# Altium PCB 电解模块主控板_V1.1_ZM_20211015.PcbDoc (part 1 of 3) (continued)
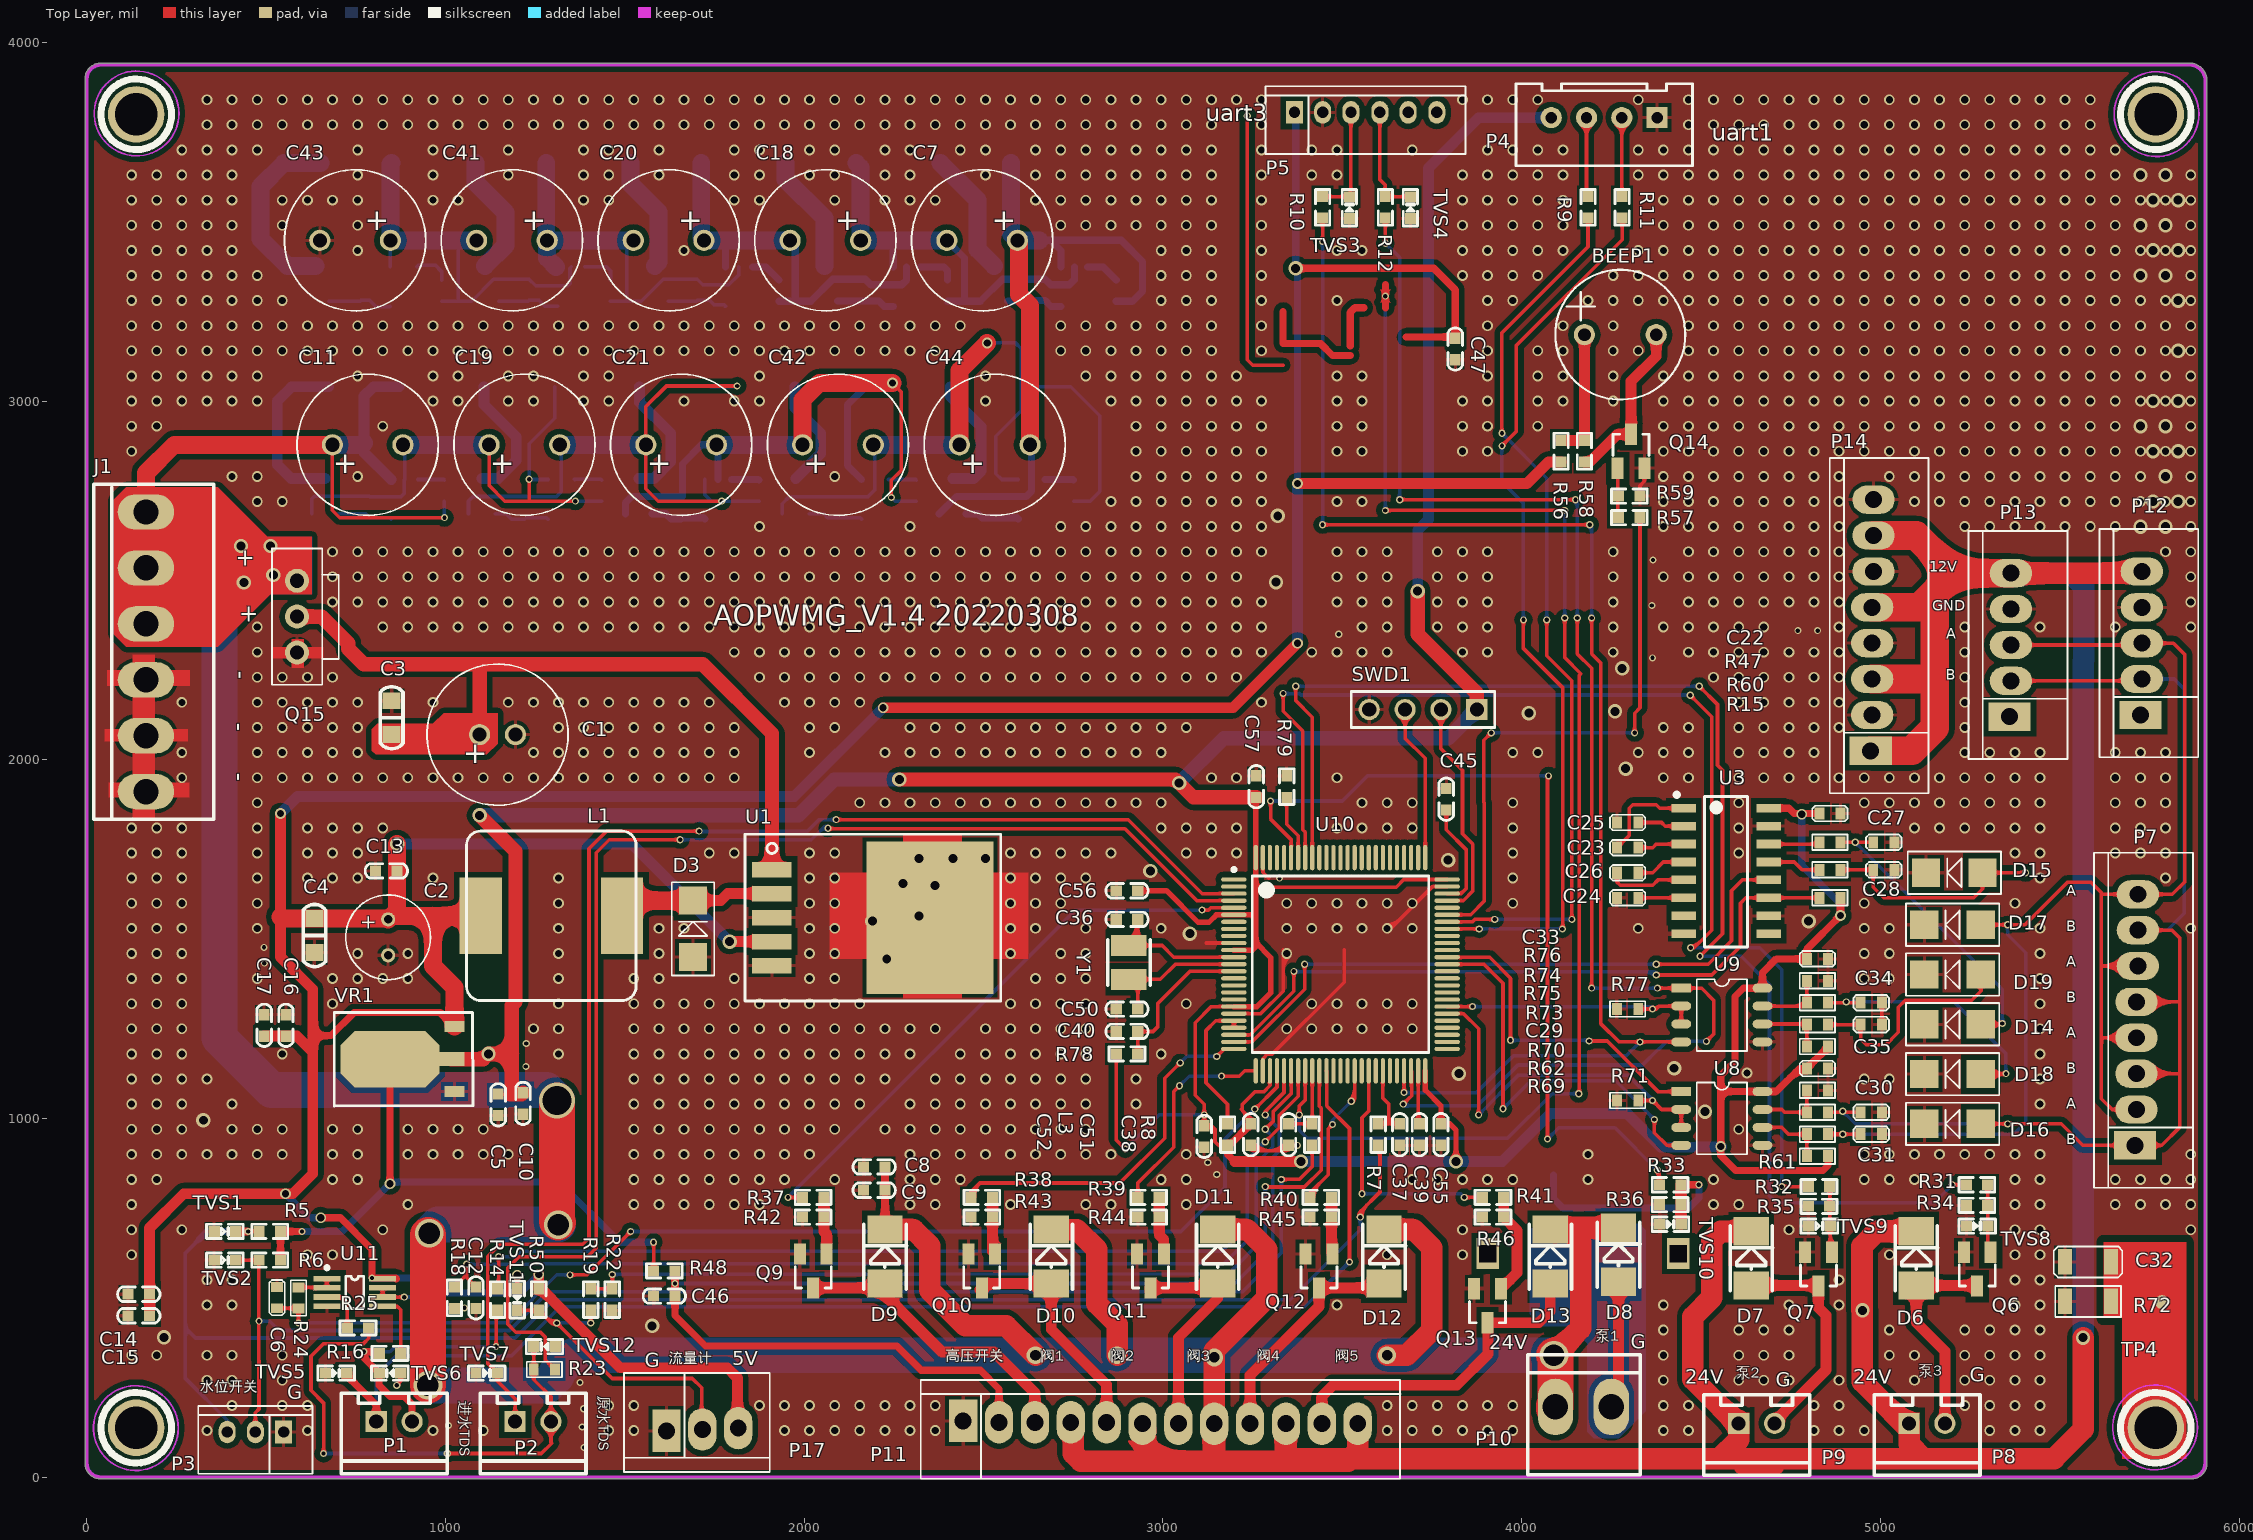
[diagram p0: Top Layer view]
## Components (designator, comment, footprint, x,y, rotation, side; value= is the part's Value field where it differs from the comment) (continued)
R19 "10K" SMD-0603 1405,495 r90 top
R22 "20K" SMD-0603 1465,495 r90 top
R23 "2K" 0603R 1305,300 r180 top
R24 "4.7K" 0603R 590,470 r90 top
R25 "10K" SMD-0603 756,416 r180 top
R26 "1K" 0603R 997,2720.67 r90 bottom
R27 "1K" 0603R 2870,3278.41 r90 bottom
R28 "1K" 0603R 2639,3280.41 r90 bottom
R29 "1K" 0603R 789,2674.67 r90 bottom
R30 "4.7" 2010R 2144.96,3663 r180 bottom
R31 "100R" SMD-0603 5269,815 r180 top
R32 "100R" SMD-0603 4829,810 r180 top
R33 "100R" SMD-0603 4414,815 r180 top
R34 "10K" SMD-0603 5269,757.5 r180 top
R35 "10K" SMD-0603 4829,755 r180 top
R36 "10K" SMD-0603 4414,760 r180 top
R37 "1K" SMD-0603 2025,780 r180 top
R38 "1K" SMD-0603 2495,780 r180 top
R39 "1K" SMD-0603 2960,780 r180 top
R40 "1K" SMD-0603 3440,780 r180 top
R41 "1K" SMD-0603 3920,780 r180 top
R42 "10K" SMD-0603 2025,725 r180 top
R43 "10K" SMD-0603 2495,725 r180 top
R44 "10K" SMD-0603 2960,725 r180 top
R45 "10K" SMD-0603 3440,725 r180 top
R46 "10K" SMD-0603 3920,725 r180 top
R47 "22R 5%" 0603R 4830,1770 r0 top
R48 "10K" SMD-0603 1610,575 r180 top
R50 "10K" SMD-0603 1260,495 r270 top
R53 "4.7" 2010R 1304.46,3040 r180 bottom
R56 "51R" SMD-0603 4110,2860 r270 top
R57 "4.7K" SMD-0603 4300,2675 r180 top
R58 "1K" SMD-0603 4175,2860 r90 top
R59 "47K" SMD-0603 4300,2735 r0 top
R60 "22R 5%" 0603R 4830,1693.33 r0 top
R61 "750R 5%" 0603R 4795,895 r0 top
R62 "FSMD010-0603" 0603R 4795,1017.22 r0 top
R64 "1K" 0603R 1435.5,2720.67 r90 bottom
R65 "1K" 0603R 2399.75,3278.41 r90 bottom
R66 "1K" 0603R 2170.25,3280.41 r90 bottom
R67 "1K" 0603R 1224.75,2674.67 r90 bottom
R68 "4.7" 2010R 1712.93,3663 r180 bottom
R69 "FSMD010-0603" 0603R 4795,956.11 r0 top
R70 "750R 5%" 0603R 4795,1078.33 r0 top
R71 "10K 1%" 0603R 4325,1050 r180 top
R72 "10M 5%" 1206r 5515,490 r0 top
R73 "750R 5%" 0603R 4795,1200.56 r0 top
R74 "FSMD010-0603" 0603R 4795,1322.78 r0 top
R75 "FSMD010-0603" 0603R 4795,1261.67 r0 top
R76 "750R 5%" 0603R 4795,1383.89 r0 top
R77 "10K 1%" 0603R 4325,1305 r180 top
R78 "10K" SMD-0603 2900,1180 r180 top
R79 "100K" SMD-0603 3345,1925 r270 top
R83 "4.7" 2010R 1737.93,3040 r180 bottom
R87 "1K" 0603R 1874,2720.67 r90 bottom
R88 "1K" 0603R 1929.5,3278.41 r90 bottom
R89 "1K" 0603R 1701.5,3280.41 r90 bottom
R90 "1K" 0603R 1660.5,2674.67 r90 bottom
R91 "4.7" 2010R 1280.89,3663 r180 bottom
R95 "4.7" 2010R 2171.39,3040 r180 bottom
R99 "1K" 0603R 2312.5,2720.67 r90 bottom
R100 "1K" 0603R 1459.25,3278.41 r90 bottom
R101 "1K" 0603R 1232.75,3280.41 r90 bottom
R102 "1K" 0603R 2096.25,2674.67 r90 bottom
R103 "4.7" 2010R 848.85,3663 r180 bottom
R107 "4.7" 2010R 2604.85,3040 r180 bottom
R111 "1K" 0603R 2751,2720.67 r90 bottom
R112 "1K" 0603R 989,3278.41 r90 bottom
R113 "1K" 0603R 764,3280.41 r90 bottom
R114 "1K" 0603R 2532,2674.67 r90 bottom
SWD1 "SIP-4 (NC)" SIP-4 3725,2140 r180 top
TP4 "TPS" tpd 5785,488 r90 top
TVS1 "ESD5Z5.0CT1G" SOD-523 385,685 r0 top
TVS2 "ESD5Z5.0CT1G" SOD-523 385,605 r0 top
TVS3 "ESD5Z5.0CT1G" SOD-523 3520,3539 r90 top
TVS4 "ESD5Z5.0CT1G" SOD-523 3690,3539 r90 top
TVS5 "ESD5Z5.0CT1G" SOD-523 695,290 r0 top
TVS6 "ESD5Z5.0CT1G" SOD-523 845,290 r180 top
TVS7 "ESD5Z5.0CT1G" SOD-523 1115,290 r0 top
TVS8 "ESD5Z5.0CT1G" SOD-523 5270,700 r0 top
TVS9 "ESD5Z5.0CT1G" SOD-523 4830,700 r0 top
TVS10 "ESD5Z5.0CT1G" SOD-523 4415,705 r0 top
TVS11 "ESD5Z5.0CT1G" SOD-523 1200,495 r270 top
TVS12 "ESD5Z5.0CT1G" SOD-523 1276,364 r180 top
U1 "LM2596S 5.0V" TO-263-5 1910,1560 r270 top
U2 "B W 6101" SOT23-5 886,2726.14 r270 bottom
U3 "TPT3232E-SO3R" SO-16Z 4451.5,1865 r0 top
U4 "B W 6101" SOT23-5 2753,3318.88 r270 bottom
U5 "B W 6101" SOT23-5 1323,2726.14 r270 bottom
U6 "B W 6101" SOT23-5 2285.5,3318.88 r270 bottom
U7 "B W 6101" SOT23-5 1760,2726.14 r270 bottom
U8 "TP8485E-SR/NC" SO-8 4445,1075 r0 top
U9 "TP8485E-SR" SO-8 4445,1363.34 r0 top
U10 "GD32F405VGTx" STM-LQFP100_N 3495,1430 r0 top
U11 "SGM358YMS/TR" MSOP-8 747,515 r0 top
U12 "B W 6101" SOT23-5 1818,3318.88 r270 bottom
U13 "B W 6101" SOT23-5 2197,2726.14 r270 bottom
U14 "B W 6101" SOT23-5 1350.5,3318.88 r270 bottom
U15 "B W 6101" SOT23-5 2634,2726.14 r270 bottom
U16 "B W 6101" SOT23-5 883,3318.88 r270 bottom
VR1 "LM1117 3.3V" SOT223 1025,1075 r90 top
Y1 "8MHz" XTAL-3225-2 2905,1435 r90 top

## Footprints (in the part's own frame and the unit in brackets; to place one, negate y for a bottom-side part, rotate by r counter-clockwise, add the part's x,y. Pads: shape width x height; smd on the part's side, far side on the other; paste and mask are expansions set on the pad)
3X2.54MMZ2 [mm]
  rect 2x3 hole 1.2: 1(0,0)
  oval 2x3 hole 1.2: 2(2.54,0.1) 3(5.08,0.2)
  silkscreen extent -3,-2.9 7.31,4.1
3X2MMZ [mm]
  rect 1.2x1.6 hole 0.8: 1(0,0)
  oval 1.2x1.6 hole 0.8: 2(2,0) 3(4,0)
  silkscreen extent -2.05,-1.85 6.05,2.95
5X2.54MMZ [mm]
  rect 2x3 hole 1.2: 1(0,0)
  oval 2x3 hole 1.2: 2(2.54,-0.1) 3(5.08,-0.1) 4(7.62,-0.1) 5(10.16,-0.1)
  silkscreen extent -3,-4.1 13.16,2.9
6*8 [mm]
  round 1 hole 0.6: 1(1.27,0) 2(-1.27,0)
  silkscreen extent -3,-3 3,3
6X2MMZ [mm]
  rect 1.2x1.6 hole 0.8: 1(0,0)
  oval 1.2x1.6 hole 0.8: 2(2,0) 3(4,0) 4(6.05,0) 5(8.05,0) 6(10.08,0)
  silkscreen extent -2.05,-2.95 12.12,1.85
8X2.54MMZ [mm]
  rect 2x3 hole 1.2: 1(0,0)
  oval 2x3 hole 1.2: 2(2.54,-0.1) 3(5.08,-0.1) 4(7.62,-0.1) 5(10.16,-0.1) 6(12.7,-0.2) 7(15.24,-0.2) 8(17.78,-0.2)
  silkscreen extent -3,-4.1 20.73,2.9
10*16 [mm]
  round 1.5 hole 1: 1(1.27,0) 2(-1.27,0)
  silkscreen extent -5,-5 5,5
"10*16 -5" [mm]
  round 1.5 hole 1: 1(2.5,0) 2(-2.5,0)
  silkscreen extent -5,-5 5,5
12X2.54MMZ [mm]
  rect 2x3 hole 1.2: 1(0,0)
  oval 2x3 hole 1.2: 2(2.54,-0.1) 3(5.08,-0.1) 4(7.62,-0.1) 5(10.16,-0.1) 6(12.7,-0.2) 7(15.24,-0.2) 8(17.78,-0.2) 9(20.32,-0.2) 10(22.86,-0.2) 11(25.4,-0.2) 12(27.94,-0.2)
  silkscreen extent -3,-4.1 30.99,2.9
0603C [mm]
  rect 0.7x0.85 smd: 1(0,0) 2(1.5,0)
  silkscreen extent -0.5,-0.55 2,0.55
0603R [mm]
  rect 0.7x0.85 smd: 1(0,0) 2(1.5,0)
  silkscreen extent -0.5,-0.55 2,0.55
1206C [mm]
  rect 1x1.8 smd: 1(0,0) 2(3.25,0)
  silkscreen extent -0.8,-1.1 4.05,1.1
1206r [mm]
  rect 1x1.8 smd: 1(0,0) 2(3.25,0)
  silkscreen extent -0.7,-1.1 3.95,1.1
2010R [mm]
  rect 1.2x2.5 smd: 1(0,0) 2(5,0)
  silkscreen extent -0.8,-1.5 5.8,1.5
BEEP-9.5X5.5 [mm]
  round 1.5 hole 0.9: 1(-2.54,0) 2(2.54,0)
  silkscreen extent -4.6,-4.6 4.6,4.6
CDRH-127 [mm]
  rect 3x5.4 smd: 1(-5,0) 2(5,0)
  silkscreen extent -6,-6 6,6, body extent -6,-6 6,6, height 8.2
DO-214-AC [mm]
  rect 2x2.5 smd: 1(-1.915,0) 2(1.915,0)
  silkscreen extent -2.3,-1.52 2.3,1.5, body extent -2.3,-1.35 2.3,1.35, height 2.4
MSOP-8 [mm]
  rect 1.9x0.4 smd: 1(-1.975,0.975) 2(-1.975,0.325) 3(-1.975,-0.325) 4(-1.975,-0.975) 5(1.975,-0.975) 6(1.975,-0.325) 7(1.975,0.325) 8(1.975,0.975)
  silkscreen extent -2.1,-1.14 0.64,1.87, body extent -2.45,-1.5 2.45,1.5, height 1.15
SIP-2A [mm]
  rect 1.5x1.5 hole 1: 1(-1.27,0)
  round 1.5 hole 1: 2(1.27,0)
  silkscreen extent -3.75,-3.68 3.75,2.02, body extent -3.7,-3.81 3.7,2.29, height 7.5
SIP-4 [mm]
  rect 1.5x1.5 hole 1: 1(-3.81,0)
  round 1.5 hole 1: 2(-1.27,0) 3(1.27,0) 4(3.81,0)
  silkscreen extent -5.08,-1.27 5.08,1.27
SMA [mm]
  rect 2x2 smd: 1(0,0) 2(4,0)
  silkscreen extent -1.3,-1.5 5.3,1.5
SMD-0603 [mil]
  rect 31.5x30 smd: 1(-30,0) 2(30,0)
  silkscreen extent -50,-20 50,20, body extent -31,-16 31,16, height 18
SMD-0603C [mil] "贴片电容"
  rect 31.5x30 smd: 1(-30,0) 2(30,0)
  silkscreen extent -59,-20 59,20, body extent -31,-16 31,16
SMD-0805C [mm]
  rect 1.2x1.27 smd: 1(-1.2,0) 2(1.2,0)
  silkscreen extent -2.2,-0.8 2.2,0.8, body extent -1.42,-0.67 1.58,0.73, height 0.93
SO-8 [mil]
  rect 55x25 smd: 1(0,0)
  oval 55x25 smd: 2(0,-50) 3(0,-100) 4(0,-150) 5(226.38,-150) 6(226.38,-100) 7(226.38,-50) 8(226.38,0)
  silkscreen extent 43,-175 183,25
SO-16Z [mil]
  rect 68x24 smd: 1(0,0) 2(0,-50) 3(0,-100) 4(0,-150) 5(0,-200) 6(0,-250) 7(0,-300) 8(0,-350) 9(237.11,-350) 10(237.11,-300) 11(237.11,-250) 12(237.11,-200) 13(237.11,-150) 14(237.11,-100) 15(237.11,-50) 16(237.11,0)
  silkscreen extent -19,-387 178,38
SOD-523 [mil]
  rect 31.5x30 smd: 1(-30,0) 2(30,0)
  silkscreen extent -51,-20 51,20, body extent -31,-16 31,16, height 26
SOT23-5 [mm]
  rect 1.1x0.6 smd: 1(-1.4,0.95) 2(-1.4,0) 3(-1.4,-0.95) 4(1.4,-0.95) 5(1.4,0.95)
  silkscreen extent -1.62,-1.4 0.5,1.87, body extent -1.25,-1.5 1.25,1.5, height 1.1
SOT223 [mm]
  rect 0.8x1.4 smd: 1(0,0) 3(4.6,0)
  rect 1x1.854 smd: 2(2.3,0.227)
  oct 4x7 smd: 4(2.286,4.572)
  silkscreen extent -1.02,-1.3 5.59,8.51
SOT-23#1 [mm] "SOT-23; 3 Leads; Body 3.0 x 2.6 mm, inc. leads (LxW max)"
  rect 0.9x0.95 smd: 1(-0.95,-1.25) 2(0.95,-1.25) 3(0,1.25)
  silkscreen extent -2.08,-1.37 1.3,1.25
SOT-23#2 [mm]
  rect 0.85x1.5 smd: 1(-0.95,-1.2) 2(0.95,-1.2) 3(0,1.2)
  silkscreen extent -1.27,-0.3 1.28,1.2, body extent -1.45,-1.4 1.45,1.4, height 1.2
STM-LQFP100_N [mm] "Thin QFP, 100-Leads, Body 14x14mm, Pitch 0.5mm, IPC Medium Density"
  oval 1.8x0.3 smd: 1(-7.55,6) 2(-7.55,5.5) 3(-7.55,5) 4(-7.55,4.5) 5(-7.55,4) 6(-7.55,3.5) 7(-7.55,3) 8(-7.55,2.5) 9(-7.55,2) 10(-7.55,1.5) 11(-7.55,1) 12(-7.55,0.5) 13(-7.55,0) 14(-7.55,-0.5) 15(-7.55,-1) 16(-7.55,-1.5) 17(-7.55,-2) 18(-7.55,-2.5) 19(-7.55,-3) 20(-7.55,-3.5) 21(-7.55,-4) 22(-7.55,-4.5) 23(-7.55,-5) 24(-7.55,-5.5) 25(-7.55,-6) 51(7.55,-6) 52(7.55,-5.5) 53(7.55,-5) 54(7.55,-4.5) 55(7.55,-4) 56(7.55,-3.5) 57(7.55,-3) 58(7.55,-2.5) 59(7.55,-2) 60(7.55,-1.5) 61(7.55,-1) 62(7.55,-0.5) 63(7.55,0) 64(7.55,0.5) 65(7.55,1) 66(7.55,1.5) 67(7.55,2) 68(7.55,2.5) 69(7.55,3) 70(7.55,3.5) 71(7.55,4) 72(7.55,4.5) 73(7.55,5) 74(7.55,5.5) 75(7.55,6)
  oval 0.3x1.8 smd: 26(-6,-7.55) 27(-5.5,-7.55) 28(-5,-7.55) 29(-4.5,-7.55) 30(-4,-7.55) 31(-3.5,-7.55) 32(-3,-7.55) 33(-2.5,-7.55) 34(-2,-7.55) 35(-1.5,-7.55) 36(-1,-7.55) 37(-0.5,-7.55) 38(0,-7.55) 39(0.5,-7.55) 40(1,-7.55) 41(1.5,-7.55) 42(2,-7.55) 43(2.5,-7.55) 44(3,-7.55) 45(3.5,-7.55) 46(4,-7.55) 47(4.5,-7.55) 48(5,-7.55) 49(5.5,-7.55) 50(6,-7.55) 76(6,7.55) 77(5.5,7.55) 78(5,7.55) 79(4.5,7.55) 80(4,7.55) 81(3.5,7.55) 82(3,7.55) 83(2.5,7.55) 84(2,7.55) 85(1.5,7.55) 86(1,7.55) 87(0.5,7.55) 88(0,7.55) 89(-0.5,7.55) 90(-1,7.55) 91(-1.5,7.55) 92(-2,7.55) 93(-2.5,7.55) 94(-3,7.55) 95(-3.5,7.55) 96(-4,7.55) 97(-4.5,7.55) 98(-5,7.55) 99(-5.5,7.55) 100(-6,7.55)
  silkscreen extent -7.67,-6.25 6.25,6.82, body extent -7,-7 7,7, height 1.6
TO220 [mm]
  round 1.7 hole 1: 1(0,0) 2(2.54,0) 3(5.08,0)
  silkscreen extent -2.29,-2.95 7.37,1.78
TO252 [mm] "DPAK"
  rrect20% 1.5x2.5 smd: 1(-2.3,-6.9) 2(2.3,-6.9)
  rrect20% 7x7 smd: 3(0,0)
  rect 1.6x2.2 hole 1.2 square: 4(-6.934,-1.549) 5(6.566,-1.549)
  silkscreen extent -6.88,-8.46 6.6,3.8, body extent -3.37,-7.38 3.36,2.72, height 2.37
TO-263-5 [mm]
  rect 1.1x2.8 smd: 1(-3.4,0) 2(-1.7,0) 3(0,0) 4(1.7,0) 5(3.4,0)
  rect 10.8x9 smd: 6(0,11.2)
  silkscreen extent -5.9,-1.9 5.9,16.2, body extent -5.08,-0.32 5.08,14.32, height 4.57
tpd [mm]
  round 1 smd: 1(0,0)
VH-AW-3.96*2P [mm]
  oval 2.5x4 hole 1.8: 1(-5.94,0) 2(-1.98,0)
  silkscreen extent -7.89,-4.8 0.08,3.7
VH-AW-3.96*6P [mm]
  oval 2.5x4 hole 1.8: 1(-5.94,0) 2(-1.98,0) 3(1.98,0) 4(5.94,0) 5(9.9,0) 6(13.86,0)
  silkscreen extent -7.89,-4.8 15.82,3.7
XH2.54-4A [mm]
  rect 1.5x1.5 hole 0.8: 1(-3.75,0)
  round 1.5 hole 0.8: 2(-1.25,0) 3(1.25,0) 4(3.75,0)
  silkscreen extent -6.25,-2.4 6.25,3.4, body extent -6.2,-2.35 6.2,3.4, height 7.1
XTAL-3225-2 [mm]
  rect 1.5x2.5 smd: 1(-1.2,0) 2(1.2,0)
  silkscreen extent -1.6,-1.5 1.6,1.5, body extent -1.6,-1.25 1.6,1.25, height 0.9

## Part data
C1 C2 C7 C11 C18 C19 C20 C21 C41 C42 C43 C44: library part CAP2, "电解电容"
C3 C4 C6 C8 C9 C10 C12 C13 C46: library part CAP4, "贴片电容 10%"
C5 C14 C15 C16 C17 C37 C38 C39 C40 C45 C51 C52 C55 C56 C57: library part CAP4, "贴片电容 20%"
C22 C23 C24 C25 C26 C27 C28 C29 C30 C31 C32 C33 C34 C35: library part CAP
C36 C50: library part CAP4, "贴片电容 5%"
C47: library part "0805 22uF (226) 20% 25V", "贴片电容 10%"
D3: library part DIODE
D6 D7 D8 D9 D10 D11 D12 D13: library part DIODE2, "贴片二极管"
D14 D15 D16 D17 D18 D19: library part D_ESD
L1: library part IND
L3: library part CIZHU1, "磁珠电感 100R 100MHz"
P1 P2: library part SIP-2, "XH2.54 2P 直插"
P3 P17: library part HDR1*3
P4: library part HDR1*4
P5: "Header, 6-Pin"
P7 P14: "Header, 8-Pin"
P8 P9 P10: "XH2.54 2P 立贴"
P11: "Header, 12-Pin"
P12 P13: "Header, 5-Pin"
Q1 Q2 Q3 Q4 Q5 Q6 Q7 Q8 Q15 Q16 Q17 Q18 Q19 Q20: library part "MOSFET N", "MOSFET N"
Q9 Q10 Q11 Q12 Q13: library part NPN-1, "三极管"
Q14: library part NPN-1, "NPN"
R1 R13 R15 R26 R27 R28 R29 R30 R47 R53 R60 R61 R62 R64 R65 R66 R67 R68 R69 R70 R71 R72 R73 R74 R75 R76 R77 R83 R87 R88 R89 R90 R91 R95 R99 R100 R101 R102 R103 R107 R111 R112 R113 R114: library part RES
R5 R6 R7 R8 R14 R16 R23 R25: library part RES0, "贴片电阻 1%"
R9 R10 R11 R12 R78 R79: library part RES2, "贴片电阻 5%"
R18 R24 R56 R57 R58 R59: library part RES0, "贴片电阻 5%"
R19 R22 R50: library part "0603 10KΩ (1002) 1%", "贴片电阻 5%"
R31 R32 R33 R34 R35 R36 R37 R38 R39 R40 R41 R42 R43 R44 R45 R46 R48: library part RES-SOP, "贴片电阻 5%"
SWD1: library part SIP-4, "ISP 下载"
TVS1 TVS2 TVS3 TVS4 TVS5 TVS6 TVS7 TVS8 TVS9 TVS10 TVS12: library part TVS-1, "TVS"
TVS11: library part TVS-1, "TVS 5.0V"
U1: library part LM2596
U8: library part TP8485E-SR
U10: library part STM32F405VGTx
U11: library part LM358, "运放"
VR1: library part LM1117, "三端稳压器"
Y1: library part XTAL, "3225 贴片晶振"

## Free pads (board coordinates)
  round 157.48 hole 118.11: 0(137.8,137.8) 0(137.8,3799.21) 0(5767.72,137.8) 0(5767.72,3799.21)

## Via types
v1: diameter 30, hole 20, Top Layer to Bottom Layer, tented both sides, 1838 vias
v2: diameter 20, hole 12, Top Layer to Bottom Layer, tented both sides, 135 vias
v3: diameter 40, hole 25, Top Layer to Bottom Layer, tented both sides, 63 vias
v4: diameter 80, hole 60, Top Layer to Bottom Layer, tented both sides, 4 vias
v5: diameter 50, hole 30, Top Layer to Bottom Layer, tented both sides, 4 vias
v6: diameter 100, hole 80, Top Layer to Bottom Layer, tented both sides, 1 vias

## Nets (pads, with @x,y where several pads share a name; then routed paths per layer and width w, separated by ;. In a path a pad name is that pad's centre, name@x,y a point inside that pad or via, vN(x,y) a via of type N, cw(c..) or ccw(c..) an arc to the next point about the centre after c; other vN are vias at no path point)
3.3V: C5.2 C10.2 C22.1 C29.1 C33.1 C51.2 C52.2 C55.2 C56.2 C57.2 L3.1 P4.4 R5.1 R6.1 R15.1 R48.2 R61.2 R73.2 R78.2 SWD1.1 U3.16 U8.8 U9.8 U10.6 U10.11 U10.19 U10.28 U10.50 U10.75 U10.100 VR1.2 VR1.4 | length 15622.2
  Top Layer w10: R48.2@1572.93,582.07 ccw(c1555.86,599.14) 1580,599.14 ccw(c1604.14,599.14) R48.2@1587.07,582.07 ; v2@1576.46,651.46 cw(c1567.93,642.93) 1580,642.93 cw(c1592.07,642.93) v2@1583.54,651.46 ; R48.2@1580,575 v2(1580,655) ; R78.2@2862.93,1172.93 cw(c2845.86,1155.86) 2870,1155.86 cw(c2894.14,1155.86) R78.2@2877.07,1172.93 ; R78.2@2870,1180 2870,940 v2(2895,915) ; v2@2890,915 ccw(c2877.93,915) 2886.46,923.54 ccw(c2895,932.07) v2@2895,920 ; C52.2@3107.93,987.82 ccw(c3090.86,1004.89) 3115,1004.89 ccw(c3139.14,1004.89) C52.2@3122.07,987.82 ; v2@3111.46,1006.46 cw(c3102.93,997.93) 3115,997.93 cw(c3127.07,997.93) v2@3118.54,1006.46 ; v2@3111.46,1013.54 ccw(c3102.93,1022.07) 3115,1022.07 ccw(c3127.07,1022.07) v2@3118.54,1013.54 ; C52.2@3121.05,971.29 cw(c3132.26,956.51) 3145.37,969.63 ; C52.2@3123,974 cw(c3135,965) 3135,980 ; C52.2@3123,986 ccw(c3135,995) 3135,980 ; 3137.27,977.73 ccw(c3125.26,965.73) 3115,979.25 cw(c3122.69,951.26) 3143.21,971.79 ; L3.1@3172.93,917.93 ccw(c3155.86,900.86) 3155.86,925 ccw(c3155.86,949.14) L3.1@3172.93,932.07 ; L3.1@3180,925 3155,925 3145,935 3145,970 3135,980 ; U10.19@3197.76,1311.89 3135,1311.89 3090,1266.89 3090,1065 3115,1040 v2(3115,1010) C52.2@3115,980 3135,980 ; 3218.56,1025.44 cw(c3178.86,985.75) C51.2@3235,985.75 ; 3235.63,1008.37 cw(c3213.01,985.75) C51.2@3245,985.75 ; C51.2@3245,985 3245,999 3221,1023 3221,1039 3257,1075 3282,1075 3298.15,1091.15 U10.28@3298.15,1132.76 ; 3258.78,1645 3650,1645 3671.22,1666.22 U10.75@3792.24,1666.22
  Top Layer w15: C56.2@2930,1635 3010,1635 3098,1547 3128.31,1547 3148.82,1567.52 3162.72,1567.52 3163,1567.8 U10.6@3197.76,1567.8 3247.2,1567.8 3258.78,1556.22 ; C56.2@2936.05,1629.7 cw(c2948.85,1616.89) 2948.85,1635 cw(c2948.85,1653.11) C56.2@2936.05,1640.3 ; U10.19@3197.76,1311.89 3261.89,1311.89 3300,1350 3300,1448.78 3258.78,1490 ; U10.11@3197.76,1469.37 3249.37,1469.37 3258.78,1478.78 3258.78,1490 ; C57.2@3254.7,1888.95 cw(c3244.84,1879.09) 3258.78,1879.09 ; 3258.78,1873.2 cw(c3281.05,1873.2) C57.2@3265.3,1888.95 ; C57.2@3260,1895 3258.78,1893.78 U10.100@3258.78,1727.24 3258.78,1645 3258.78,1556.22 ; U10.50@3731.22,1132.76 3731.22,1078.78 3775,1035 C55.2@3775,985 3800,985 3817,968 v3(3817,880) ; C55.2@3769.7,991.05 ccw(c3756.89,1003.85) 3775,1003.85 ccw(c3793.11,1003.85) C55.2@3780.3,991.05 ; C55.2@3780.3,979.7 cw(c3793.11,966.89) 3793.11,985 cw(c3793.11,1003.11) C55.2@3780.3,990.3 ; v3@3808.16,888.84 ccw(c3786.82,910.18) 3817,910.18 ccw(c3847.18,910.18) v3@3825.84,888.84 ; 3258.78,1490 3258.78,1556.22
  Top Layer w20: R6.1@540,605 R5.1@540,685 v2(600,685) ; v1(845,818) VR1.4@845,1165 ; L3.1@3180,930.75 ccw(c3180,956.7) 3198.35,938.35 ; L3.1@3184.28,921.67 ccw(c3204.94,909.19) 3187.87,892.13 ; 3200,880 3180,900 L3.1@3180,925 3185,925 C51.2@3245,985 ; U3.16@4688.61,1865 4745,1865 4760,1850 C22.1@4830,1850 ; 4748.42,1113.42 cw(c4795,1066.83) C29.1@4795,1132.71 ; 4764.17,1129.17 cw(c4784.28,1109.05) C29.1@4793.74,1135.88 ; C29.1@4795,1146.18 ccw(c4795,1162.43) C29.1@4806.49,1150.94 ; R61.2@4854.06,895 4854.06,869.06 4840,855 4596.7,855 4555,896.7 v1(4555,922) 4555,1075 ; R73.2@4854.06,1200.56 4854.06,1198.5 C29.1@4795,1139.44 4774.44,1139.44 4710,1075 U8.8@4671.38,1075 4555,1075 ; R15.1@4889.06,1615 v1(4889.06,1566.06) 4795,1472 C33.1@4795,1445 4710,1445 4671.38,1406.38 U9.8@4671.38,1363.34 4618.34,1363.34 4595,1340 4595,1159.91 4555,1119.91 4555,1075
  Top Layer w30: 3200,880 v3(3385,880)
  Top Layer w40: VR1.2@1016.06,1165.55 1105.55,1165.55 v3(1120,1180) ; 1085.12,1165.55 ccw(c1085.12,1214.88) v3(1120,1180) ; v3(1095,1845) 1195,1745 1195,1325 1185,1315 1185,1180 ; C10.2@1216,1072 1212,1068 1180,1068 1185,1073 1185,1180 ; v3(2265,1945) 3035,1945 v3(3045,1935) ; 3020.86,1945 cw(c3020.86,1910.86) v3(3045,1935) ; C57.2@3260,1895 3085,1895 v3(3045,1935) ; v3(3710,2470) 3710,2350 3875,2185 SWD1.1@3875,2140 ; v3(1120,1180) 1185,1180
  Bottom Layer w10: v2(2895,915) 2990,1010 v2(3115,1010) ; v2@2895,920 ccw(c2895,932.07) 2903.54,923.54 ccw(c2912.07,915) v2@2900,915 ; v2@3111.46,1006.46 ccw(c3102.93,997.93) 3102.93,1010 ccw(c3102.93,1022.07) v2@3111.46,1013.54
  Bottom Layer w20: v2(600,685) 712,685 v1(845,818) 850.12,823.12 1316.12,823.12 1484.23,655 v2(1580,655) ; v1(4781,1848) 4781,1706 4889.06,1597.94 v1(4889.06,1566.06)
  Bottom Layer w30: v3(3385,880) v3(3817,880) 3946,880 4080,1014 4294,1014 4388,920 4488,920 ; v3(3710,2470) 3710,2640 3740,2670 3740,3650 3880,3790 P4.4@4082.36,3790 ; 4488,921 v1@4557,921
  Bottom Layer w40: v3(1095,1845) 1984,1845 2084,1945 v3(2265,1945) ; v3(3045,1935) 3170,2060 3795,2060 SWD1.1@3875,2140
ADC_ELE: U10.33 | length 4026.2
  Top Layer w10: v2@3376.46,1013.54 ccw(c3367.93,1022.07) 3380,1022.07 ccw(c3392.07,1022.07) v2@3383.54,1013.54 ; v2(3380,1010) 3380,1035 3396.57,1051.57 U10.33@3396.57,1132.76 ; v2(3620,2695) v2(4120,2695) ; v2@3623.54,2691.46 cw(c3632.07,2682.93) 3632.07,2695 cw(c3632.07,2707.07) v2@3623.54,2698.54 ; v2@4116.46,2391.46 cw(c4107.93,2382.93) 4120,2382.93 cw(c4132.07,2382.93) v2@4123.54,2391.46 ; v2@4116.46,2691.46 ccw(c4107.93,2682.93) 4107.93,2695 ccw(c4107.93,2707.07) v2@4116.46,2698.54 ; v2(4120,2395) 4120,2285 4165,2240 4161,2236 4161,1071 v2(4159,1069) ; v2@4155.46,1072.54 ccw(c4142.1,1085.9) 4161,1085.9
  Top Layer w20: 3620,3260 v2(3620,3292.5) 3620,3325
  Bottom Layer w10: v2@3376.46,1006.46 cw(c3367.93,997.93) 3380,997.93 cw(c3392.07,997.93) v2@3383.54,1006.46 ; v2(3380,1010) 3380,967.37 3402.69,944.69 3960.69,944.69 4085,1069 v2(4159,1069) ; v2@3616.46,2698.54 ccw(c3607.93,2707.07) 3620,2707.07 ccw(c3632.07,2707.07) v2@3623.54,2698.54 ; v2@3616.46,3288.96 cw(c3607.93,3280.43) 3620,3280.43 cw(c3632.07,3280.43) v2@3623.54,3288.96 ; v2(3620,2695) v2(3620,3292.5) ; v2@4116.46,2398.54 ccw(c4107.93,2407.07) 4120,2407.07 ccw(c4132.07,2407.07) v2@4123.54,2398.54 ; v2@4116.46,2691.46 cw(c4107.93,2682.93) 4120,2682.93 cw(c4132.07,2682.93) v2@4123.54,2691.46 ; v2(4120,2395) v2(4120,2695) ; v2@4155.46,1065.46 ccw(c4146.93,1056.93) 4146.93,1069 ccw(c4146.93,1081.07) v2@4155.46,1072.54
CVALUE1O2: D9.1 P11.3 Q9.3 | length 849.5
  Top Layer w30: Q9.3@2025,527.76 2213.15,527.76 D9.1@2225,539.61 2225,508 2384,349 2529,349 2643,235 P11.3@2643,153.06
CVALUE2O2: D10.1 P11.5 Q10.3 | length 841
  Top Layer w30: Q10.3@2490,522.76 Q10.3@2495,527.76 2506.85,539.61 D10.1@2688.75,539.61 2688.75,412.25 2843,258 P11.5@2843,153.06 ; D10.1@2661.68,522.37 ccw(c2620.07,480.77) 2620.07,539.61 ccw(c2620.07,598.44) D10.1@2661.68,556.84 ; D10.1@2671.52,522.37 cw(c2629.92,480.77) 2688.75,480.77 cw(c2747.58,480.77) D10.1@2705.98,522.37
CVALUE3O2: D11.1 P11.7 Q11.3 | length 697.4
  Top Layer w30: P11.7@3043,149.13 3043,389 3152.5,498.5 ; D11.1@3140.81,518.22 cw(c3130.02,498.5) 3152.5,498.5 ; D11.1@3164.19,518.22 ccw(c3174.98,498.5) 3152.5,498.5 ; Q11.3@2965,527.76 2965,519 2963.75,517.75 2963.75,526.51 Q11.3@2965,527.76 ; Q11.3@2965,527.76 3140.65,527.76 D11.1@3152.5,539.61 3152.5,498.5
CVALUE4O2: D12.1 P11.9 Q12.3 | length 644.3
  Top Layer w30: P11.9@3243,149.13 3243,284 3435,476 Q12.3@3435,527.76 3604.4,527.76 D12.1@3616.25,539.61
CVALUE5O2: D13.1 P11.11 Q13.3 | length 957.2
  Top Layer w30: P11.11@3443,149.13 3443,224.8 3474.2,256 3819,256 3906.25,343.25 Q13.3@3906.25,430.76 ; Q13.3@3905,430.76 Q13.3@3906.25,430.76 ; D13.1@4068.15,527.76 D13.1@4080,539.61 4080,463 4047.76,430.76 Q13.3@3906.25,430.76
EN1_485: R71.1 U8.2 U8.3 U10.56 | length 1292.9
  Top Layer w10: U10.56@3792.24,1292.2 3837.8,1292.2 3880,1250 v2(3880,1010) ; v2@3876.46,1013.54 ccw(c3867.93,1022.07) 3880,1022.07 ccw(c3892.07,1022.07) v2@3883.54,1013.54 ; R71.1@4325,1050 v2(4365,1050) 4390,1025 U8.2@4445,1025 U8.3@4445,975 ; R71.1@4331.21,1043.79 cw(c4346.2,1028.8) 4346.2,1050 cw(c4346.2,1071.2) R71.1@4331.21,1056.21 ; v2@4361.46,1046.46 ccw(c4352.93,1037.93) 4352.93,1050 ccw(c4352.93,1062.07) v2@4361.46,1053.54 ; v2@4365,1045 cw(c4365,1032.93) 4373.54,1041.46 cw(c4382.07,1050) v2@4370,1050 ; U8.2@4424.7,1019.7 ccw(c4411.89,1006.89) 4411.89,1025 ccw(c4411.89,1043.11) U8.2@4424.7,1030.3 ; U8.3@4439.7,980.3 ccw(c4426.89,993.11) 4445,993.11 ccw(c4463.11,993.11) U8.3@4450.3,980.3 ; U8.2@4439.7,1019.7 cw(c4426.89,1006.89) 4445,1006.89 cw(c4463.11,1006.89) U8.2@4450.3,1019.7
  Bottom Layer w10: v2(3880,1010) 3991,1121 4296,1121 v2@4365,1052 ; v2@3880,1015 ccw(c3880,1027.07) 3888.54,1018.54 ccw(c3897.07,1010) v2@3885,1010 ; 4355.05,1061.95 cw(c4343.1,1050) v2@4360,1050
EN2_485: R77.1 U9.2 U9.3 U10.57 | length 942.5
  Top Layer w10: U10.57@3792.24,1311.89 v2(3863.11,1311.89) ; v2@3859.57,1308.35 ccw(c3851.04,1299.82) 3851.04,1311.89 ccw(c3851.04,1323.96) v2@3859.57,1315.43 ; R77.1@4325,1305 v2(4365,1305) 4375,1305 4383.34,1313.34 ; R77.1@4331.21,1298.79 cw(c4346.2,1283.8) 4346.2,1305 cw(c4346.2,1326.2) R77.1@4331.21,1311.21 ; v2@4361.46,1301.46 ccw(c4352.93,1292.93) 4352.93,1305 ccw(c4352.93,1317.07) v2@4361.46,1308.54 ; v2@4366.73,1309.69 ccw(c4372.18,1324.51) 4383.34,1313.34 ; U9.2@4424.7,1308.04 ccw(c4411.89,1295.24) 4411.89,1313.34 ccw(c4411.89,1331.45) U9.2@4424.7,1318.65 ; U9.3@4439.7,1268.65 ccw(c4426.89,1281.45) 4445,1281.45 ccw(c4463.11,1281.45) U9.3@4450.3,1268.65 ; U9.2@4439.7,1308.04 cw(c4426.89,1295.24) 4445,1295.24 cw(c4463.11,1295.24) U9.2@4450.3,1308.04 ; U9.3@4445,1263.34 U9.2@4445,1313.34 4383.34,1313.34
  Bottom Layer w10: v2(3863.11,1311.89) 4358.11,1311.89 v2(4365,1305) ; v2@3866.65,1308.35 cw(c3875.18,1299.82) 3875.18,1311.89 cw(c3875.18,1323.96) v2@3866.65,1315.43